# Allegro board 1281021_HW-FMC-XM500_Rev1_0.brd (continued)
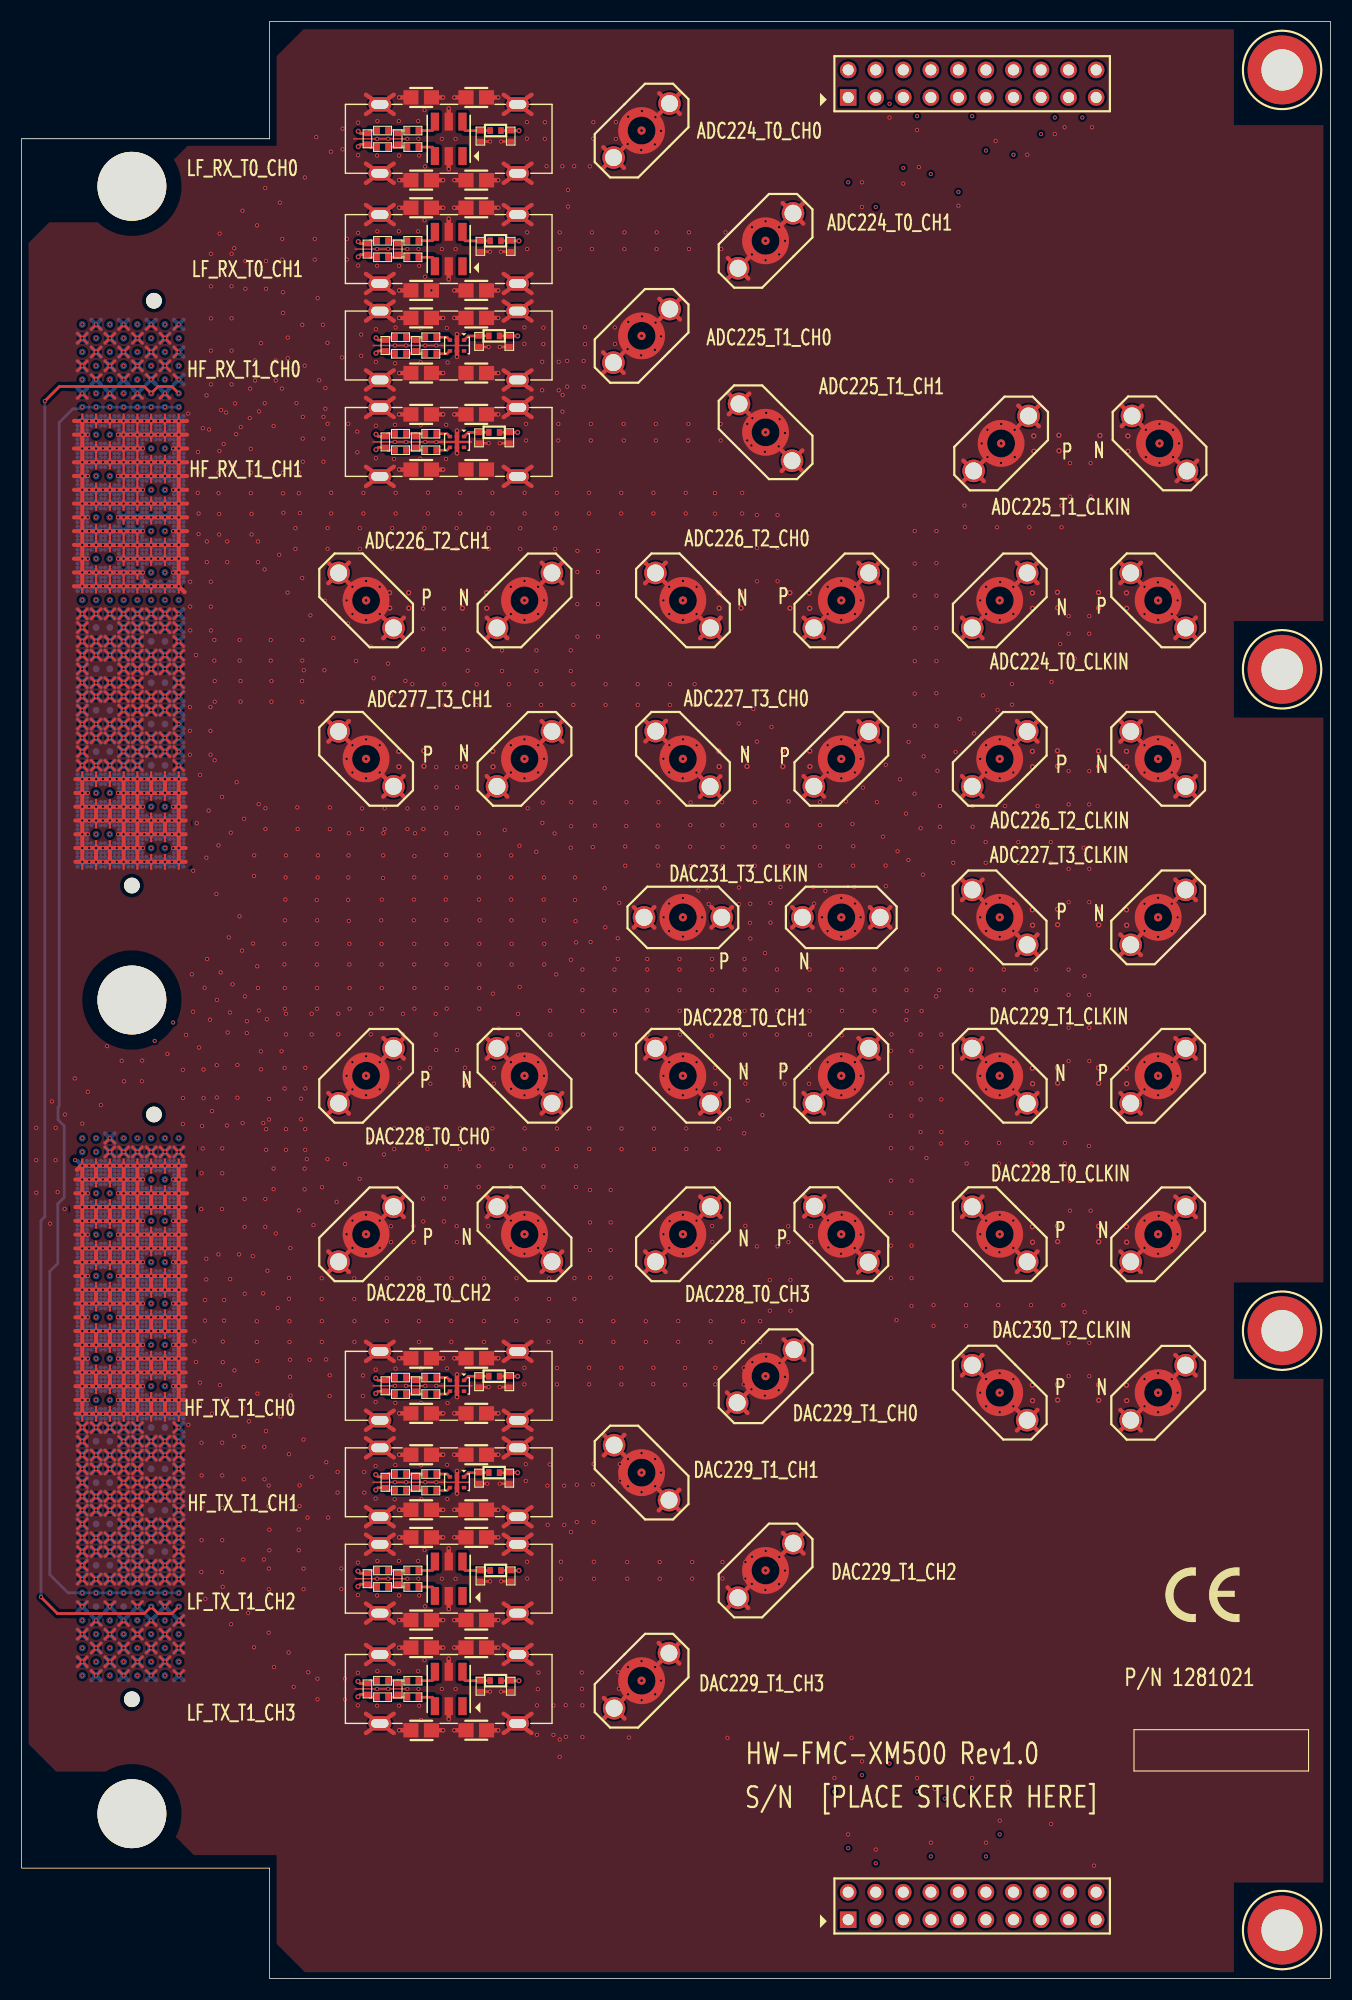
[diagram p0: board, top side]
## Routing (per net, layer and track width the routed paths; a pad name or vN(x,y) marks a point on that pad's centre or on a via; arc(x,y) is an arc through that point) (continued)
; v2(5.59,111.79) 6.03,112.23 ; v2(5.59,111.79) 5.15,112.23 ; v2(5.59,111.79) 6.03,111.36 ; v2(14.48,55.85) 14.92,55.41 ; v2(14.48,55.85) 14.04,55.41 ; v2(14.48,55.85) 14.92,56.28 ; v2(14.48,55.85) 14.04,56.28 ; v2(14.48,27.91) 14.92,28.34 ; v2(14.48,27.91) 14.04,28.34 ; v2(14.48,27.91) 14.04,27.47 ; v2(14.48,27.91) 14.92,27.47 ; v2(5.59,125.76) 6.03,125.33 ; v2(5.59,125.76) 6.03,126.2 ; v2(5.59,125.76) 5.15,126.2 ; v2(5.59,125.76) 5.15,125.33 ; v2(8.13,46.96) 8.57,47.39 ; v2(8.13,46.96) 8.57,46.52 ; v2(8.13,46.96) 7.69,47.39 ; v2(8.13,46.96) 7.69,46.52 ; v2(6.86,44.42) 7.3,43.98 ; v2(6.86,44.42) 7.3,44.85 ; v2(6.86,44.42) 6.42,43.98 ; v2(6.86,44.42) 6.42,44.85 ; 5.15,57.55 v2(5.59,57.12) ; v2(5.59,57.12) 5.15,56.68 ; v2(5.59,57.12) 6.03,56.68 ; v2(5.59,57.12) 6.03,57.55 ; J20.3 73.98,81.6 ; J20.3 72.08,79.7 ; J20.3 73.98,79.7 ; J20.3 72.08,81.6 ; 11.5,71.52 v2(11.94,71.09) ; v2(11.94,71.09) 11.5,70.65 ; v2(11.94,71.09) 12.38,71.52 ; v2(11.94,71.09) 12.38,70.65 ; 11.5,149.46 v2(11.94,149.89) ; v2(11.94,149.89) 12.38,150.33 ; v2(11.94,149.89) 12.38,149.46 ; v2(11.94,149.89) 11.5,150.33 ; v2(13.21,146.08) 13.65,146.52 ; v2(13.21,146.08) 12.77,145.65 ; v2(13.21,146.08) 13.65,145.65 ; v2(13.21,146.08) 12.77,146.52 ; v2(11.94,67.28) 12.38,66.84 ; v2(11.94,67.28) 12.38,67.71 ; v2(11.94,67.28) 11.5,66.84 ; v2(11.94,67.28) 11.5,67.71 ; 65.08,36.03 J5.3 ; J5.3 65.08,34.13 ; J5.3 66.98,34.13 ; J5.3 66.98,36.03 ; v2(10.67,55.85) 11.11,56.28 ; v2(10.67,55.85) 10.23,56.28 ; v2(10.67,55.85) 10.23,55.41 ; v2(10.67,55.85) 11.11,55.41 ; v2(9.4,125.76) 9.84,126.2 ; v2(9.4,125.76) 9.84,125.33 ; v2(9.4,125.76) 8.96,125.33 ; v2(9.4,125.76) 8.96,126.2 ; 5.15,38.9 v2(5.59,39.34) ; v2(5.59,39.34) 5.15,39.77 ; v2(5.59,39.34) 6.03,38.9 ; v2(5.59,39.34) 6.03,39.77 ; v2(9.4,62.2) 9.84,62.63 ; v2(9.4,62.2) 8.96,61.76 ; v2(9.4,62.2) 9.84,61.76 ; v2(9.4,62.2) 8.96,62.63 ; 10.23,71.92 v2(10.67,72.36) ; v2(10.67,72.36) 11.11,71.92 ; v2(10.67,72.36) 10.23,72.79 ; v2(10.67,72.36) 11.11,72.79 ; v2(10.67,129.57) 11.11,129.14 ; v2(10.67,129.57) 11.11,130.01 ; v2(10.67,129.57) 10.23,130.01 ; v2(10.67,129.57) 10.23,129.14 ; 5.15,46.12 v2(5.59,45.69) ; v2(5.59,45.69) 6.03,45.25 ; v2(5.59,45.69) 5.15,45.25 ; v2(5.59,45.69) 6.03,46.12 ; J28.3 93.65,65.1 ; J28.3 91.75,65.1 ; J28.3 91.75,67 ; J28.3 93.65,67 ; 47.94,130.48 J35.3 ; J35.3 49.84,128.58 ; J35.3 47.94,128.58 ; J35.3 49.84,130.48 ; v2(13.21,124.49) 13.65,124.93 ; v2(13.21,124.49) 12.77,124.06 ; v2(13.21,124.49) 12.77,124.93 ; v2(13.21,124.49) 13.65,124.06 ; 6.42,55.41 v2(6.86,55.85) ; v2(6.86,55.85) 7.3,56.28 ; v2(6.86,55.85) 6.42,56.28 ; v2(6.86,55.85) 7.3,55.41 ; 8.96,136.76 v2(9.4,137.19) ; v2(9.4,137.19) 9.84,137.63 ; v2(9.4,137.19) 9.84,136.76 ; v2(9.4,137.19) 8.96,137.63 ; v2(5.59,102.9) 6.03,103.34 ; v2(5.59,102.9) 6.03,102.47 ; v2(5.59,102.9) 5.15,103.34 ; v2(5.59,102.9) 5.15,102.47 ; RFCAGE2.3 47,40.9 ; RFCAGE2.3 44.44,39.11 ; RFCAGE2.3 47,39.11 ; RFCAGE2.3 44.44,40.9 ; v2(14.48,115.6) 14.92,115.17 ; v2(14.48,115.6) 14.04,116.04 ; v2(14.48,115.6) 14.92,116.04 ; v2(14.48,115.6) 14.04,115.17 ; 5.15,124.06 v2(5.59,124.49) ; v2(5.59,124.49) 6.03,124.06 ; v2(5.59,124.49) 6.03,124.93 ; v2(5.59,124.49) 5.15,124.93 ; 5.15,49.93 v2(5.59,49.5) ; v2(5.59,49.5) 5.15,49.06 ; v2(5.59,49.5) 6.03,49.93 ; v2(5.59,49.5) 6.03,49.06 ; v2(10.67,137.19) 11.11,136.76 ; v2(10.67,137.19) 11.11,137.63 ; v2(10.67,137.19) 10.23,136.76 ; v2(10.67,137.19) 10.23,137.63 ; 14.04,61.36 v2(14.48,60.93) ; v2(14.48,60.93) 14.92,60.49 ; v2(14.48,60.93) 14.04,60.49 ; v2(14.48,60.93) 14.92,61.36 ; v2(13.21,118.14) 13.65,117.71 ; v2(13.21,118.14) 13.65,118.58 ; v2(13.21,118.14) 12.77,118.58 ; v2(13.21,118.14) 12.77,117.71 ; v2(6.86,46.96) 7.3,47.39 ; v2(6.86,46.96) 6.42,46.52 ; v2(6.86,46.96) 7.3,46.52 ; v2(6.86,46.96) 6.42,47.39 ; 6.42,136.76 v2(6.86,137.19) ; v2(6.86,137.19) 6.42,137.63 ; v2(6.86,137.19) 7.3,137.63 ; v2(6.86,137.19) 7.3,136.76 ; v2(5.59,141) 6.03,141.44 ; v2(5.59,141) 5.15,141.44 ; v2(5.59,141) 5.15,140.57 ; v2(5.59,141) 6.03,140.57 ; 11.5,124.06 v2(11.94,124.49) ; v2(11.94,124.49) 12.38,124.06 ; v2(11.94,124.49) 11.5,124.93 ; v2(11.94,124.49) 12.38,124.93 ; 14.04,50.33 v2(14.48,50.77) ; v2(14.48,50.77) 14.92,51.2 ; v2(14.48,50.77) 14.92,50.33 ; v2(14.48,50.77) 14.04,51.2 ; v2(9.4,43.15) 9.84,43.58 ; v2(9.4,43.15) 8.96,42.71 ; v2(9.4,43.15) 8.96,43.58 ; v2(9.4,43.15) 9.84,42.71 ; 63.59,96.84 J900.3 ; J900.3 65.49,98.74 ; J900.3 63.59,98.74 ; J900.3 65.49,96.84 ; v2(9.4,133.38) 9.84,133.82 ; v2(9.4,133.38) 9.84,132.95 ; v2(9.4,133.38) 8.96,133.82 ; v2(9.4,133.38) 8.96,132.95 ; v2(14.48,43.15) 14.92,42.71 ; v2(14.48,43.15) 14.92,43.58 ; v2(14.48,43.15) 14.04,42.71 ; v2(14.48,43.15) 14.04,43.58 ; 8.96,122.79 v2(9.4,123.22) ; v2(9.4,123.22) 9.84,123.66 ; v2(9.4,123.22) 9.84,122.79 ; v2(9.4,123.22) 8.96,123.66 ; J32.3 59.38,128.58 ; J32.3 57.48,128.58 ; J32.3 57.48,130.48 ; J32.3 59.38,130.48 ; 44.44,28.95 RFCAGE1.3 ; RFCAGE1.3 47,28.95 ; RFCAGE1.3 47,30.74 ; RFCAGE1.3 44.44,30.74 ; v2(5.59,59.66) 6.03,59.22 ; v2(5.59,59.66) 6.03,60.09 ; v2(5.59,59.66) 5.15,59.22 ; v2(5.59,59.66) 5.15,60.09 ; 33.33,110.81 J39.3 ; J39.3 35.23,110.81 ; J39.3 35.23,108.91 ; J39.3 33.33,108.91 ; 8.96,124.06 v2(9.4,124.49) ; v2(9.4,124.49) 9.84,124.93 ; v2(9.4,124.49) 8.96,124.93 ; v2(9.4,124.49) 9.84,124.06 ; 6.42,40.17 v2(6.86,40.61) ; v2(6.86,40.61) 7.3,41.04 ; v2(6.86,40.61) 6.42,41.04 ; v2(6.86,40.61) 7.3,40.17 ; v2(13.21,130.84) 13.65,131.28 ; v2(13.21,130.84) 12.77,130.41 ; v2(13.21,130.84) 12.77,131.28 ; v2(13.21,130.84) 13.65,130.41 ; v2(9.4,113.06) 9.84,112.63 ; v2(9.4,113.06) 8.96,112.63 ; v2(9.4,113.06) 8.96,113.5 ; v2(9.4,113.06) 9.84,113.5 ; 10.23,143.98 v2(10.67,143.54) ; v2(10.67,143.54) 10.23,143.11 ; v2(10.67,143.54) 11.11,143.98 ; v2(10.67,143.54) 11.11,143.11 ; v2(13.21,60.93) 13.65,60.49 ; v2(13.21,60.93) 12.77,61.36 ; v2(13.21,60.93) 13.65,61.36 ; v2(13.21,60.93) 12.77,60.49 ; 31.74,58.68 RFCAGE4.4 ; RFCAGE4.4 34.3,58.68 ; RFCAGE4.4 31.74,56.89 ; RFCAGE4.4 34.3,56.89 ; 11.5,120.25 v2(11.94,120.68) ; v2(11.94,120.68) 11.5,121.12 ; v2(11.94,120.68) 12.38,120.25 ; v2(11.94,120.68) 12.38,121.12 ; v2(10.67,148.62) 11.11,148.19 ; v2(10.67,148.62) 11.11,149.06 ; v2(10.67,148.62) 10.23,149.06 ; v2(10.67,148.62) 10.23,148.19 ; RFCAGE4.2 47,50.54 ; RFCAGE4.2 44.44,52.33 ; RFCAGE4.2 47,52.33 ; RFCAGE4.2 44.44,50.54 ; 10.23,125.33 v2(10.67,125.76) ; v2(10.67,125.76) 11.11,125.33 ; v2(10.67,125.76) 11.11,126.2 ; v2(10.67,125.76) 10.23,126.2 ; 7.69,28.74 v2(8.13,29.18) ; v2(8.13,29.18) 8.57,28.74 ; v2(8.13,29.18) 8.57,29.61 ; v2(8.13,29.18) 7.69,29.61 ; RFCAGE1.4 34.3,28.95 ; RFCAGE1.4 31.74,28.95 ; RFCAGE1.4 34.3,30.74 ; RFCAGE1.4 31.74,30.74 ; 10.23,61.36 v2(10.67,60.93) ; v2(10.67,60.93) 11.11,61.36 ; v2(10.67,60.93) 10.23,60.49 ; v2(10.67,60.93) 11.11,60.49 ; 6.42,30.88 v2(6.86,30.45) ; v2(6.86,30.45) 7.3,30.01 ; v2(6.86,30.45) 6.42,30.01 ; v2(6.86,30.45) 7.3,30.88 ; 106.36,123.52 J30.3 ; J30.3 106.36,125.42 ; J30.3 108.26,125.42 ; J30.3 108.26,123.52 ; v2(5.59,73.63) 6.03,74.06 ; v2(5.59,73.63) 5.15,74.06 ; v2(5.59,73.63) 5.15,73.19 ; v2(5.59,73.63) 6.03,73.19 ; J5.2 72.08,41.05 ; J5.2 70.18,41.05 ; J5.2 70.18,39.15 ; J5.2 72.08,39.15 ; v2(13.21,59.66) 13.65,60.09 ; v2(13.21,59.66) 12.77,59.22 ; v2(13.21,59.66) 13.65,59.22 ; v2(13.21,59.66) 12.77,60.09 ; J22.2 30.17,67 ; J22.2 30.17,65.1 ; J22.2 28.27,65.1 ; J22.2 28.27,67 ; 58.73,29.02 J6.2 ; J6.2 60.63,30.92 ; J6.2 60.63,29.02 ; J6.2 58.73,30.92 ; v2(13.21,114.33) 13.65,113.9 ; v2(13.21,114.33) 13.65,114.77 ; v2(13.21,114.33) 12.77,114.77 ; v2(13.21,114.33) 12.77,113.9 ; 5.15,121.52 v2(5.59,121.95) ; v2(5.59,121.95) 5.15,122.39 ; v2(5.59,121.95) 6.03,122.39 ; v2(5.59,121.95) 6.03,121.52 ; v2(11.94,105.44) 12.38,105.01 ; v2(11.94,105.44) 11.5,105.01 ; v2(11.94,105.44) 11.5,105.88 ; v2(11.94,105.44) 12.38,105.88 ; v2(9.4,58.39) 9.84,57.95 ; v2(9.4,58.39) 8.96,58.82 ; v2(9.4,58.39) 9.84,58.82 ; v2(9.4,58.39) 8.96,57.95 ; 6.42,107.55 v2(6.86,107.98) ; v2(6.86,107.98) 7.3,108.42 ; v2(6.86,107.98) 7.3,107.55 ; v2(6.86,107.98) 6.42,108.42 ; v2(6.86,104.17) 7.3,104.61 ; v2(6.86,104.17) 6.42,103.74 ; v2(6.86,104.17) 7.3,103.74 ; v2(6.86,104.17) 6.42,104.61 ; 14.04,60.09 v2(14.48,59.66) ; v2(14.48,59.66) 14.04,59.22 ; v2(14.48,59.66) 14.92,60.09 ; v2(14.48,59.66) 14.92,59.22 ; v2(5.59,143.54) 6.03,143.98 ; v2(5.59,143.54) 6.03,143.11 ; v2(5.59,143.54) 5.15,143.11 ; v2(8.13,106.71) 8.57,107.15 ; v2(8.13,106.71) 8.57,106.28 ; v2(8.13,106.71) 7.69,106.28 ; v2(8.13,106.71) 7.69,107.15 ; 12.77,66.84 v2(13.21,67.28) ; v2(13.21,67.28) 12.77,67.71 ; v2(13.21,67.28) 13.65,67.71 ; v2(13.21,67.28) 13.65,66.84 ; v2(10.67,52.04) 11.11,51.6 ; v2(10.67,52.04) 10.23,51.6 ; v2(10.67,52.04) 11.11,52.47 ; v2(10.67,52.04) 10.23,52.47 ; 5.15,146.52 v2(5.59,146.08) ; v2(5.59,146.08) 6.03,145.65 ; v2(5.59,146.08) 6.03,146.52 ; v2(5.59,146.08) 5.15,145.65 ; v2(9.4,40.61) 9.84,41.04 ; v2(9.4,40.61) 8.96,41.04 ; v2(9.4,40.61) 8.96,40.17 ; v2(9.4,40.61) 9.84,40.17 ; 14.04,58.82 v2(14.48,58.39) ; v2(14.48,58.39) 14.04,57.95 ; v2(14.48,58.39) 14.92,58.82 ; v2(14.48,58.39) 14.92,57.95 ; 12.77,68.11 v2(13.21,68.55) ; v2(13.21,68.55) 12.77,68.98 ; v2(13.21,68.55) 13.65,68.11 ; v2(13.21,68.55) 13.65,68.98 ; 6.42,123.66 v2(6.86,123.22) ; v2(6.86,123.22) 7.3,123.66 ; v2(6.86,123.22) 6.42,122.79 ; v2(6.86,123.22) 7.3,122.79 ; v2(8.13,62.2) 8.57,62.63 ; v2(8.13,62.2) 7.69,62.63 ; v2(8.13,62.2) 7.69,61.76 ; v2(8.13,62.2) 8.57,61.76 ; 10.23,69.38 v2(10.67,69.82) ; v2(10.67,69.82) 11.11,69.38 ; v2(10.67,69.82) 10.23,70.25 ; v2(10.67,69.82) 11.11,70.25 ; v2(14.48,66.01) 14.92,66.44 ; v2(14.48,66.01) 14.04,66.44 ; v2(14.48,66.01) 14.92,65.57 ; v2(14.48,66.01) 14.04,65.57 ; 11.5,43.98 v2(11.94,44.42) ; v2(11.94,44.42) 11.5,44.85 ; v2(11.94,44.42) 12.38,43.98 ; v2(11.94,44.42) 12.38,44.85 ; 12.77,112.63 v2(13.21,113.06) ; v2(13.21,113.06) 13.65,112.63 ; v2(13.21,113.06) 12.77,113.5 ; v2(13.21,113.06) 13.65,113.5 ; 6.42,66.84 v2(6.86,67.28) ; v2(6.86,67.28) 7.3,66.84 ; v2(6.86,67.28) 6.42,67.71 ; v2(6.86,67.28) 7.3,67.71 ; RFCAGE5.1 34.3,139.32 ; RFCAGE5.1 34.3,137.54 ; RFCAGE5.1 31.74,139.32 ; RFCAGE5.1 31.74,137.54 ; 8.96,60.09 v2(9.4,59.66) ; v2(9.4,59.66) 9.84,60.09 ; v2(9.4,59.66) 8.96,59.22 ; v2(9.4,59.66) 9.84,59.22 ; 10.23,43.98 v2(10.67,44.42) ; v2(10.67,44.42) 11.11,43.98 ; v2(10.67,44.42) 11.11,44.85 ; v2(10.67,44.42) 10.23,44.85 ; 10.23,63.9 v2(10.67,63.47) ; v2(10.67,63.47) 10.23,63.03 ; v2(10.67,63.47) 11.11,63.9 ; v2(10.67,63.47) 11.11,63.03 ; v2(13.21,72.36) 13.65,72.79 ; v2(13.21,72.36) 12.77,71.92 ; v2(13.21,72.36) 12.77,72.79 ; v2(13.21,72.36) 13.65,71.92 ; v2(11.94,109.25) 12.38,108.82 ; v2(11.94,109.25) 11.5,108.82 ; v2(11.94,109.25) 12.38,109.69 ; v2(11.94,109.25) 11.5,109.69 ; 6.42,136.36 v2(6.86,135.92) ; v2(6.86,135.92) 7.3,135.49 ; v2(6.86,135.92) 7.3,136.36 ; v2(6.86,135.92) 6.42,135.49 ; J37.3 73.98,108.91 ; J37.3 72.08,108.91 ; J37.3 72.08,110.81 ; J37.3 73.98,110.81 ; J36.2 64.42,110.79 ; J36.2 64.42,108.89 ; J36.2 62.52,110.79 ; J36.2 62.52,108.89 ; v2(14.48,137.19) 14.92,136.76 ; v2(14.48,137.19) 14.04,137.63 ; v2(14.48,137.19) 14.04,136.76 ; v2(14.48,137.19) 14.92,137.63 ; v2(6.86,39.34) 7.3,38.9 ; v2(6.86,39.34) 6.42,38.9 ; v2(6.86,39.34) 7.3,39.77 ; v2(6.86,39.34) 6.42,39.77 ; 101.29,94.31 J892.3 ; J892.3 103.19,94.31 ; J892.3 103.19,96.21 ; J892.3 101.29,96.21 ; RFCAGE5.4 34.3,145.67 ; RFCAGE5.4 31.74,145.67 ; RFCAGE5.4 34.3,143.89 ; RFCAGE5.4 31.74,143.89 ; 106.36,110.81 J894.3 ; J894.3 106.36,108.91 ; J894.3 108.26,108.91 ; J894.3 108.26,110.81 ; 7.69,55.01 v2(8.13,54.58) ; v2(8.13,54.58) 7.69,54.14 ; v2(8.13,54.58) 8.57,55.01 ; v2(8.13,54.58) 8.57,54.14 ; v2(9.4,45.69) 9.84,45.25 ; v2(9.4,45.69) 8.96,46.12 ; v2(9.4,45.69) 8.96,45.25 ; v2(9.4,45.69) 9.84,46.12 ; 8.96,71.92 v2(9.4,72.36) ; v2(9.4,72.36) 9.84,71.92 ; v2(9.4,72.36) 9.84,72.79 ; v2(9.4,72.36) 8.96,72.79 ; 7.69,43.58 v2(8.13,43.15) ; v2(8.13,43.15) 8.57,42.71 ; v2(8.13,43.15) 7.69,42.71 ; v2(8.13,43.15) 8.57,43.58 ; v2(8.13,76.17) 8.57,76.6 ; v2(8.13,76.17) 7.69,75.73 ; v2(8.13,76.17) 8.57,75.73 ; v2(8.13,76.17) 7.69,76.6 ; 44.44,32.76 RFCAGE2.2 ; RFCAGE2.2 44.44,34.55 ; RFCAGE2.2 47,32.76 ; RFCAGE2.2 47,34.55 ; 7.69,73.19 v2(8.13,73.63) ; v2(8.13,73.63) 8.57,74.06 ; v2(8.13,73.63) 7.69,74.06 ; v2(8.13,73.63) 8.57,73.19 ; 12.77,117.31 v2(13.21,116.87) ; v2(13.21,116.87) 13.65,116.44 ; v2(13.21,116.87) 13.65,117.31 ; v2(13.21,116.87) 12.77,116.44 ; RFCAGE3.2 47,41.65 ; RFCAGE3.2 44.44,43.44 ; RFCAGE3.2 47,43.44 ; RFCAGE3.2 44.44,41.65 ; v2(11.94,32.99) 12.38,33.42 ; v2(11.94,32.99) 11.5,32.55 ; v2(11.94,32.99) 12.38,32.55 ; v2(11.94,32.99) 11.5,33.42 ; 8.96,68.11 v2(9.4,68.55) ; v2(9.4,68.55) 8.96,68.98 ; v2(9.4,68.55) 9.84,68.98 ; v2(9.4,68.55) 9.84,68.11 ; 8.96,135.09 v2(9.4,134.65) ; v2(9.4,134.65) 9.84,135.09 ; v2(9.4,134.65) 9.84,134.22 ; v2(9.4,134.65) 8.96,134.22 ; v2(10.67,138.46) 11.11,138.9 ; v2(10.67,138.46) 10.23,138.03 ; v2(10.67,138.46) 11.11,138.03 ; v2(10.67,138.46) 10.23,138.9 ; v2(13.21,71.09) 13.65,70.65 ; v2(13.21,71.09) 12.77,71.52 ; v2(13.21,71.09) 13.65,71.52 ; v2(13.21,71.09) 12.77,70.65 ; v2(6.86,114.33) 7.3,114.77 ; v2(6.86,114.33) 7.3,113.9 ; v2(6.86,114.33) 6.42,113.9 ; v2(6.86,114.33) 6.42,114.77 ; v2(6.86,132.11) 7.3,131.68 ; v2(6.86,132.11) 6.42,131.68 ; v2(6.86,132.11) 7.3,132.55 ; v2(6.86,132.11) 6.42,132.55 ; v2(11.94,128.3) 12.38,127.87 ; v2(11.94,128.3) 12.38,128.74 ; v2(11.94,128.3) 11.5,127.87 ; v2(11.94,128.3) 11.5,128.74 ; 14.04,103.34 v2(14.48,102.9) ; v2(14.48,102.9) 14.04,102.47 ; v2(14.48,102.9) 14.92,103.34 ; v2(14.48,102.9) 14.92,102.47 ; 5.15,40.17 v2(5.59,40.61) ; v2(5.59,40.61) 5.15,41.04 ; v2(5.59,40.61) 6.03,40.17 ; v2(5.59,40.61) 6.03,41.04 ; 11.5,75.33 v2(11.94,74.9) ; v2(11.94,74.9) 11.5,74.46 ; v2(11.94,74.9) 12.38,75.33 ; v2(11.94,74.9) 12.38,74.46 ; v2(5.59,43.15) 6.03,43.58 ; v2(5.59,43.15) 6.03,42.71 ; v2(5.59,43.15) 5.15,43.58 ; v2(5.59,43.15) 5.15,42.71 ; 10.23,105.88 v2(10.67,105.44) ; v2(10.67,105.44) 11.11,105.01 ; v2(10.67,105.44) 10.23,105.01 ; v2(10.67,105.44) 11.11,105.88 ; 8.96,143.11 v2(9.4,143.54) ; v2(9.4,143.54) 9.84,143.98 ; v2(9.4,143.54) 8.96,143.98 ; v2(9.4,143.54) 9.84,143.11 ; J39.2 30.17,113.98 ; J39.2 30.17,115.88 ; J39.2 28.27,113.98 ; J39.2 28.27,115.88 ; 5.15,127.87 v2(5.59,128.3) ; v2(5.59,128.3) 6.03,127.87 ; v2(5.59,128.3) 6.03,128.74 ; v2(5.59,128.3) 5.15,128.74 ; v2(11.94,116.87) 12.38,116.44 ; v2(11.94,116.87) 12.38,117.31 ; v2(11.94,116.87) 11.5,116.44 ; v2(11.94,116.87) 11.5,117.31 ; v2(14.48,53.31) 14.92,52.87 ; v2(14.48,53.31) 14.92,53.74 ; v2(14.48,53.31) 14.04,52.87 ; v2(14.48,53.31) 14.04,53.74 ; RFCAGE6.3 47,154.56 ; RFCAGE6.3 47,152.78 ; RFCAGE6.3 44.44,154.56 ; RFCAGE6.3 44.44,152.78 ; v2(10.67,139.73) 11.11,139.3 ; v2(10.67,139.73) 11.11,140.17 ; v2(10.67,139.73) 10.23,140.17 ; v2(10.67,139.73) 10.23,139.3 ; v2(10.67,53.31) 11.11,53.74 ; v2(10.67,53.31) 11.11,52.87 ; v2(10.67,53.31) 10.23,52.87 ; v2(10.67,53.31) 10.23,53.74 ; 7.69,43.98 v2(8.13,44.42) ; v2(8.13,44.42) 7.69,44.85 ; v2(8.13,44.42) 8.57,43.98 ; v2(8.13,44.42) 8.57,44.85 ; v2(9.4,152.43) 9.84,152 ; v2(9.4,152.43) 8.96,152 ; v2(9.4,152.43) 9.84,152.87 ; v2(9.4,152.43) 8.96,152.87 ; 7.69,47.79 v2(8.13,48.23) ; v2(8.13,48.23) 8.57,48.66 ; v2(8.13,48.23) 8.57,47.79 ; v2(8.13,48.23) 7.69,48.66 ; 12.77,46.12 v2(13.21,45.69) ; v2(13.21,45.69) 12.77,45.25 ; v2(13.21,45.69) 13.65,46.12 ; v2(13.21,45.69) 13.65,45.25 ; v2(9.4,39.34) 9.84,38.9 ; v2(9.4,39.34) 9.84,39.77 ; v2(9.4,39.34) 8.96,38.9 ; v2(9.4,39.34) 8.96,39.77 ; 5.15,52.47 v2(5.59,52.04) ; v2(5.59,52.04) 5.15,51.6 ; v2(5.59,52.04) 6.03,52.47 ; v2(5.59,52.04) 6.03,51.6 ; v2(6.86,106.71) 7.3,106.28 ; v2(6.86,106.71) 6.42,106.28 ; v2(6.86,106.71) 7.3,107.15 ; v2(6.86,106.71) 6.42,107.15 ; v2(14.48,45.69) 14.92,46.12 ; v2(14.48,45.69) 14.04,45.25 ; v2(14.48,45.69) 14.92,45.25 ; v2(14.48,45.69) 14.04,46.12 ; v2(5.59,120.68) 6.03,121.12 ; v2(5.59,120.68) 6.03,120.25 ; v2(5.59,120.68) 5.15,121.12 ; v2(5.59,120.68) 5.15,120.25 ; v2(10.67,135.92) 11.11,136.36 ; v2(10.67,135.92) 11.11,135.49 ; v2(10.67,135.92) 10.23,136.36 ; v2(10.67,135.92) 10.23,135.49 ; 31.74,41.65 RFCAGE3.1 ; RFCAGE3.1 34.3,41.65 ; RFCAGE3.1 31.74,43.44 ; RFCAGE3.1 34.3,43.44 ; 10.23,150.73 v2(10.67,151.16) ; v2(10.67,151.16) 10.23,151.6 ; v2(10.67,151.16) 11.11,150.73 ; v2(10.67,151.16) 11.11,151.6 ; v2(8.13,128.3) 8.57,127.87 ; v2(8.13,128.3) 7.69,128.74 ; v2(8.13,128.3) 8.57,128.74 ; v2(8.13,128.3) 7.69,127.87 ; 7.69,108.42 v2(8.13,107.98) ; v2(8.13,107.98) 7.69,107.55 ; v2(8.13,107.98) 8.57,107.55 ; v2(8.13,107.98) 8.57,108.42 ; 6.42,37.23 v2(6.86,36.8) ; v2(6.86,36.8) 7.3,37.23 ; v2(6.86,36.8) 6.42,36.36 ; v2(6.86,36.8) 7.3,36.36 ; v2(10.67,114.33) 11.11,113.9 ; v2(10.67,114.33) 11.11,114.77 ; v2(10.67,114.33) 10.23,113.9 ; v2(10.67,114.33) 10.23,114.77 ; v2(13.21,105.44) 13.65,105.88 ; v2(13.21,105.44) 13.65,105.01 ; v2(13.21,105.44) 12.77,105.01 ; v2(13.21,105.44) 12.77,105.88 ; v2(6.86,48.23) 7.3,48.66 ; v2(6.86,48.23) 6.42,47.79 ; v2(6.86,48.23) 6.42,48.66 ; v2(6.86,48.23) 7.3,47.79 ; 65.01,52.1 J7.3 ; J7.3 66.91,54 ; J7.3 65.01,54 ; J7.3 66.91,52.1 ; v2(11.94,143.54) 12.38,143.98 ; v2(11.94,143.54) 11.5,143.98 ; v2(11.94,143.54) 11.5,143.11 ; v2(11.94,143.54) 12.38,143.11 ; v2(5.59,109.25) 6.03,108.82 ; v2(5.59,109.25) 5.15,109.69 ; v2(5.59,109.25) 6.03,109.69 ; v2(5.59,109.25) 5.15,108.82 ; 11.5,49.06 v2(11.94,49.5) ; v2(11.94,49.5) 11.5,49.93 ; v2(11.94,49.5) 12.38,49.93 ; v2(11.94,49.5) 12.38,49.06 ; J24.2 79,65.05 ; J24.2 77.1,65.05 ; J24.2 79,66.95 ; J24.2 77.1,66.95 ; 5.15,41.44 v2(5.59,41.88) ; v2(5.59,41.88) 6.03,42.31 ; v2(5.59,41.88) 6.03,41.44 ; v2(5.59,41.88) 5.15,42.31 ; RFCAGE2.1 34.3,34.55 ; RFCAGE2.1 31.74,34.55 ; RFCAGE2.1 34.3,32.76 ; RFCAGE2.1 31.74,32.76 ; 14.04,109.69 v2(14.48,109.25) ; v2(14.48,109.25) 14.04,108.82 ; v2(14.48,109.25) 14.92,109.69 ; v2(14.48,109.25) 14.92,108.82 ; v2(14.48,52.04) 14.92,51.6 ; v2(14.48,52.04) 14.04,51.6 ; v2(14.48,52.04) 14.04,52.47 ; v2(14.48,52.04) 14.92,52.47 ; v2(5.59,104.17) 6.03,104.61 ; v2(5.59,104.17) 6.03,103.74 ; v2(5.59,104.17) 5.15,103.74 ; v2(5.59,104.17) 5.15,104.61 ; 12.77,74.46 v2(13.21,74.9) ; v2(13.21,74.9) 13.65,74.46 ; v2(13.21,74.9) 13.65,75.33 ; v2(13.21,74.9) 12.77,75.33 ; 44.44,161.67 RFCAGE7.3 ; RFCAGE7.3 44.44,163.45 ; RFCAGE7.3 47,161.67 ; RFCAGE7.3 47,163.45 ; v2(14.48,76.17) 14.92,76.6 ; v2(14.48,76.17) 14.92,75.73 ; v2(14.48,76.17) 14.04,76.6 ; v2(14.48,76.17) 14.04,75.73 ; 5.15,61.36 v2(5.59,60.93) ; v2(5.59,60.93) 6.03,60.49 ; v2(5.59,60.93) 6.03,61.36 ; v2(5.59,60.93) 5.15,60.49 ; v2(11.94,52.04) 12.38,52.47 ; v2(11.94,52.04) 12.38,51.6 ; v2(11.94,52.04) 11.5,51.6 ; v2(11.94,52.04) 11.5,52.47 ; v2(11.94,152.43) 12.38,152 ; v2(11.94,152.43) 11.5,152 ; v2(11.94,152.43) 11.5,152.87 ; v2(11.94,152.43) 12.38,152.87 ; 12.77,43.98 v2(13.21,44.42) ; v2(13.21,44.42) 12.77,44.85 ; v2(13.21,44.42) 13.65,43.98 ; v2(13.21,44.42) 13.65,44.85 ; v2(8.13,59.66) 8.57,59.22 ; v2(8.13,59.66) 8.57,60.09 ; v2(8.13,59.66) 7.69,59.22 ; v2(8.13,59.66) 7.69,60.09 ; v2(5.59,46.96) 6.03,47.39 ; v2(5.59,46.96) 5.15,47.39 ; v2(5.59,46.96) 5.15,46.52 ; v2(5.59,46.96) 6.03,46.52 ; v2(8.13,110.52) 8.57,110.96 ; v2(8.13,110.52) 7.69,110.96 ; v2(8.13,110.52) 8.57,110.09 ; v2(8.13,110.52) 7.69,110.09 ; v2(11.94,138.46) 12.38,138.03 ; v2(11.94,138.46) 11.5,138.03 ; v2(11.94,138.46) 11.5,138.9 ; v2(11.94,138.46) 12.38,138.9 ; 11.5,60.09 v2(11.94,59.66) ; v2(11.94,59.66) 12.38,59.22 ; v2(11.94,59.66) 11.5,59.22 ; v2(11.94,59.66) 12.38,60.09 ; v2(8.13,74.9) 8.57,75.33 ; v2(8.13,74.9) 7.69,75.33 ; v2(8.13,74.9) 8.57,74.46 ; v2(8.13,74.9) 7.69,74.46 ; 6.42,125.33 v2(6.86,125.76) ; v2(6.86,125.76) 7.3,125.33 ; v2(6.86,125.76) 7.3,126.2 ; v2(6.86,125.76) 6.42,126.2 ; v2(5.59,119.41) 6.03,119.85 ; v2(5.59,119.41) 6.03,118.98 ; v2(5.59,119.41) 5.15,119.85 ; v2(5.59,119.41) 5.15,118.98 ; v2(9.4,149.89) 9.84,149.46 ; v2(9.4,149.89) 8.96,150.33 ; v2(9.4,149.89) 8.96,149.46 ; v2(9.4,149.89) 9.84,150.33 ; 8.96,113.9 v2(9.4,114.33) ; v2(9.4,114.33) 8.96,114.77 ; v2(9.4,114.33) 9.84,113.9 ; v2(9.4,114.33) 9.84,114.77 ; 5.15,137.63 v2(5.59,137.19) ; v2(5.59,137.19) 5.15,136.76 ; v2(5.59,137.19) 6.03,137.63 ; v2(5.59,137.19) 6.03,136.76 ; v2(9.4,49.5) 9.84,49.06 ; v2(9.4,49.5) 8.96,49.06 ; v2(9.4,49.5) 9.84,49.93 ; v2(9.4,49.5) 8.96,49.93 ; 5.15,74.46 v2(5.59,74.9) ; v2(5.59,74.9) 6.03,74.46 ; v2(5.59,74.9) 5.15,75.33 ; v2(5.59,74.9) 6.03,75.33 ; 53.62,168.77 J4.3 ; J4.3 53.62,166.87 ; J4.3 55.52,166.87 ; J4.3 55.52,168.77 ; 7.69,112.23 v2(8.13,111.79) ; v2(8.13,111.79) 7.69,111.36 ; v2(8.13,111.79) 8.57,111.36 ; v2(8.13,111.79) 8.57,112.23 ; 91.75,115.88 J893.2 ; J893.2 93.65,115.88 ; J893.2 93.65,113.98 ; J893.2 91.75,113.98 ; v2(14.48,134.65) 14.92,134.22 ; v2(14.48,134.65) 14.92,135.09 ; v2(14.48,134.65) 14.04,134.22 ; v2(14.48,134.65) 14.04,135.09 ; 12.77,102.47 v2(13.21,102.9) ; v2(13.21,102.9) 12.77,103.34 ; v2(13.21,102.9) 13.65,102.47 ; v2(13.21,102.9) 13.65,103.34 ; 8.96,108.82 v2(9.4,109.25) ; v2(9.4,109.25) 8.96,109.69 ; v2(9.4,109.25) 9.84,109.69 ; v2(9.4,109.25) 9.84,108.82 ; 57.48,65.1 J25.3 ; J25.3 59.38,67 ; J25.3 57.48,67 ; J25.3 59.38,65.1 ; 10.23,42.71 v2(10.67,43.15) ; v2(10.67,43.15) 11.11,42.71 ; v2(10.67,43.15) 10.23,43.58 ; v2(10.67,43.15) 11.11,43.58 ; 12.77,121.12 v2(13.21,120.68) ; v2(13.21,120.68) 13.65,121.12 ; v2(13.21,120.68) 12.77,120.25 ; v2(13.21,120.68) 13.65,120.25 ; 6.42,149.46 v2(6.86,149.89) ; v2(6.86,149.89) 7.3,149.46 ; v2(6.86,149.89) 6.42,150.33 ; v2(6.86,149.89) 7.3,150.33 ; 8.96,140.17 v2(9.4,139.73) ; v2(9.4,139.73) 9.84,139.3 ; v2(9.4,139.73) 9.84,140.17 ; v2(9.4,139.73) 8.96,139.3 ; 42.87,108.91 J40.2 ; J40.2 44.77,108.91 ; J40.2 44.77,110.81 ; J40.2 42.87,110.81 ; 8.96,66.84 v2(9.4,67.28) ; v2(9.4,67.28) 9.84,66.84 ; v2(9.4,67.28) 8.96,67.71 ; v2(9.4,67.28) 9.84,67.71 ; v2(11.94,139.73) 12.38,140.17 ; v2(11.94,139.73) 12.38,139.3 ; v2(11.94,139.73) 11.5,139.3 ; v2(11.94,139.73) 11.5,140.17 ; 8.96,50.33 v2(9.4,50.77) ; v2(9.4,50.77) 9.84,50.33 ; v2(9.4,50.77) 9.84,51.2 ; v2(9.4,50.77) 8.96,51.2 ; 91.75,81.6 J895.3 ; J895.3 93.65,81.6 ; J895.3 93.65,79.7 ; J895.3 91.75,79.7 ; v2(5.59,71.09) 6.03,71.52 ; v2(5.59,71.09) 5.15,71.52 ; v2(5.59,71.09) 5.15,70.65 ; v2(5.59,71.09) 6.03,70.65 ; v2(14.48,69.82) 14.92,70.25 ; v2(14.48,69.82) 14.92,69.38 ; v2(14.48,69.82) 14.04,69.38 ; v2(14.48,69.82) 14.04,70.25 ; v2(8.13,137.19) 8.57,137.63 ; v2(8.13,137.19) 7.69,137.63 ; v2(8.13,137.19) 8.57,136.76 ; v2(8.13,137.19) 7.69,136.76 ; J3.3 67,156.66 ; J3.3 67,158.57 ; J3.3 65.1,158.57 ; J3.3 65.1,156.66 ; 31.74,146.43 RFCAGE6.1 ; RFCAGE6.1 34.3,148.21 ; RFCAGE6.1 34.3,146.43 ; RFCAGE6.1 31.74,148.21 ; 7.69,34.69 v2(8.13,34.26) ; v2(8.13,34.26) 8.57,33.82 ; v2(8.13,34.26) 7.69,33.82 ; v2(8.13,34.26) 8.57,34.69 ; 10.23,65.57 v2(10.67,66.01) ; v2(10.67,66.01) 11.11,66.44 ; v2(10.67,66.01) 11.11,65.57 ; v2(10.67,66.01) 10.23,66.44 ; 8.96,110.09 v2(9.4,110.52) ; v2(9.4,110.52) 9.84,110.09 ; v2(9.4,110.52) 9.84,110.96 ; v2(9.4,110.52) 8.96,110.96 ; v2(13.21,40.61) 13.65,41.04 ; v2(13.21,40.61) 12.77,41.04 ; v2(13.21,40.61) 13.65,40.17 ; v2(13.21,40.61) 12.77,40.17 ; 8.96,42.31 v2(9.4,41.88) ; v2(9.4,41.88) 9.84,42.31 ; v2(9.4,41.88) 9.84,41.44 ; v2(9.4,41.88) 8.96,41.44 ; 8.96,141.44 v2(9.4,141) ; v2(9.4,141) 9.84,140.57 ; v2(9.4,141) 8.96,140.57 ; v2(9.4,141) 9.84,141.44 ; 11.5,126.2 v2(11.94,125.76) ; v2(11.94,125.76) 12.38,125.33 ; v2(11.94,125.76) 12.38,126.2 ; v2(11.94,125.76) 11.5,125.33 ; v2(14.48,32.99) 14.92,32.55 ; v2(14.48,32.99) 14.04,33.42 ; v2(14.48,32.99) 14.04,32.55 ; v2(14.48,32.99) 14.92,33.42 ; 12.77,121.52 v2(13.21,121.95) ; v2(13.21,121.95) 13.65,121.52 ; v2(13.21,121.95) 12.77,122.39 ; v2(13.21,121.95) 13.65,122.39 ; v2(9.4,64.74) 9.84,65.17 ; v2(9.4,64.74) 8.96,64.3 ; v2(9.4,64.74) 9.84,64.3 ; v2(9.4,64.74) 8.96,65.17 ; v2(14.48,152.43) 14.92,152.87 ; v2(14.48,152.43) 14.04,152.87 ; v2(14.48,152.43) 14.04,152 ; v2(14.48,152.43) 14.92,152 ; 65.19,144.16 J1.2 ; J1.2 65.19,146.06 ; J1.2 67.09,144.16 ; J1.2 67.09,146.06 ; 10.23,113.5 v2(10.67,113.06) ; v2(10.67,113.06) 11.11,113.5 ; v2(10.67,113.06) 10.23,112.63 ; v2(10.67,113.06) 11.11,112.63 ; v2(14.48,132.11) 14.92,132.55 ; v2(14.48,132.11) 14.92,131.68 ; v2(14.48,132.11) 14.04,131.68 ; v2(14.48,132.11) 14.04,132.55 ; 11.5,55.41 v2(11.94,55.85) ; v2(11.94,55.85) 11.5,56.28 ; v2(11.94,55.85) 12.38,56.28 ; v2(11.94,55.85) 12.38,55.41 ; 7.69,123.66 v2(8.13,123.22) ; v2(8.13,123.22) 8.57,122.79 ; v2(8.13,123.22) 8.57,123.66 ; v2(8.13,123.22) 7.69,122.79 ; v2(14.48,130.84) 14.92,130.41 ; v2(14.48,130.84) 14.04,130.41 ; v2(14.48,130.84) 14.04,131.28 ; v2(14.48,130.84) 14.92,131.28 ; v2(9.4,71.09) 9.84,71.52 ; v2(9.4,71.09) 8.96,71.52 ; v2(9.4,71.09) 8.96,70.65 ; v2(9.4,71.09) 9.84,70.65 ; 5.15,37.23 v2(5.59,36.8) ; v2(5.59,36.8) 6.03,37.23 ; v2(5.59,36.8) 6.03,36.36 ; v2(5.59,36.8) 5.15,36.36 ; J894.2 103.19,113.98 ; J894.2 101.29,115.88 ; J894.2 101.29,113.98 ; J894.2 103.19,115.88 ; v2(10.67,62.2) 11.11,62.63 ; v2(10.67,62.2) 11.11,61.76 ; v2(10.67,62.2) 10.23,61.76 ; v2(10.67,62.2) 10.23,62.63 ; 11.5,47.79 v2(11.94,48.23) ; v2(11.94,48.23) 12.38,47.79 ; v2(11.94,48.23) 12.38,48.66 ; v2(11.94,48.23) 11.5,48.66 ; 14.04,48.66 v2(14.48,48.23) ; v2(14.48,48.23) 14.92,47.79 ; v2(14.48,48.23) 14.92,48.66 ; v2(14.48,48.23) 14.04,47.79 ; v2(9.4,135.92) 9.84,136.36 ; v2(9.4,135.92) 8.96,136.36 ; v2(9.4,135.92) 9.84,135.49 ; v2(9.4,135.92) 8.96,135.49 ; 14.04,49.06 v2(14.48,49.5) ; v2(14.48,49.5) 14.92,49.93 ; v2(14.48,49.5) 14.04,49.93 ; v2(14.48,49.5) 14.92,49.06 ; v2(11.94,102.9) 12.38,103.34 ; v2(11.94,102.9) 12.38,102.47 ; v2(11.94,102.9) 11.5,102.47 ; v2(11.94,102.9) 11.5,103.34 ; 31.74,39.11 RFCAGE2.4 ; RFCAGE2.4 31.74,40.9 ; RFCAGE2.4 34.3,39.11 ; RFCAGE2.4 34.3,40.9 ; 7.69,132.55 v2(8.13,132.11) ; v2(8.13,132.11) 7.69,131.68 ; v2(8.13,132.11) 8.57,131.68 ; v2(8.13,132.11) 8.57,132.55 ; 8.96,108.42 v2(9.4,107.98) ; v2(9.4,107.98) 9.84,107.55 ; v2(9.4,107.98) 9.84,108.42 ; v2(9.4,107.98) 8.96,107.55 ; v2(8.13,129.57) 8.57,129.14 ; v2(8.13,129.57) 7.69,130.01 ; v2(8.13,129.57) 8.57,130.01 ; v2(8.13,129.57) 7.69,129.14